# Altium PCB A-Eye.PcbDoc
Units mil, origin at the board's own origin, x right, y up, seen from the top; angles counter-clockwise.
Board outline 1259.84 x 1062.87 mil, 4 copper layers (Top1, Gnd2, Signal3, Bottom4), stack 30.634 mil thick; 95 components, 111 nets, 499 pads, 259 vias.
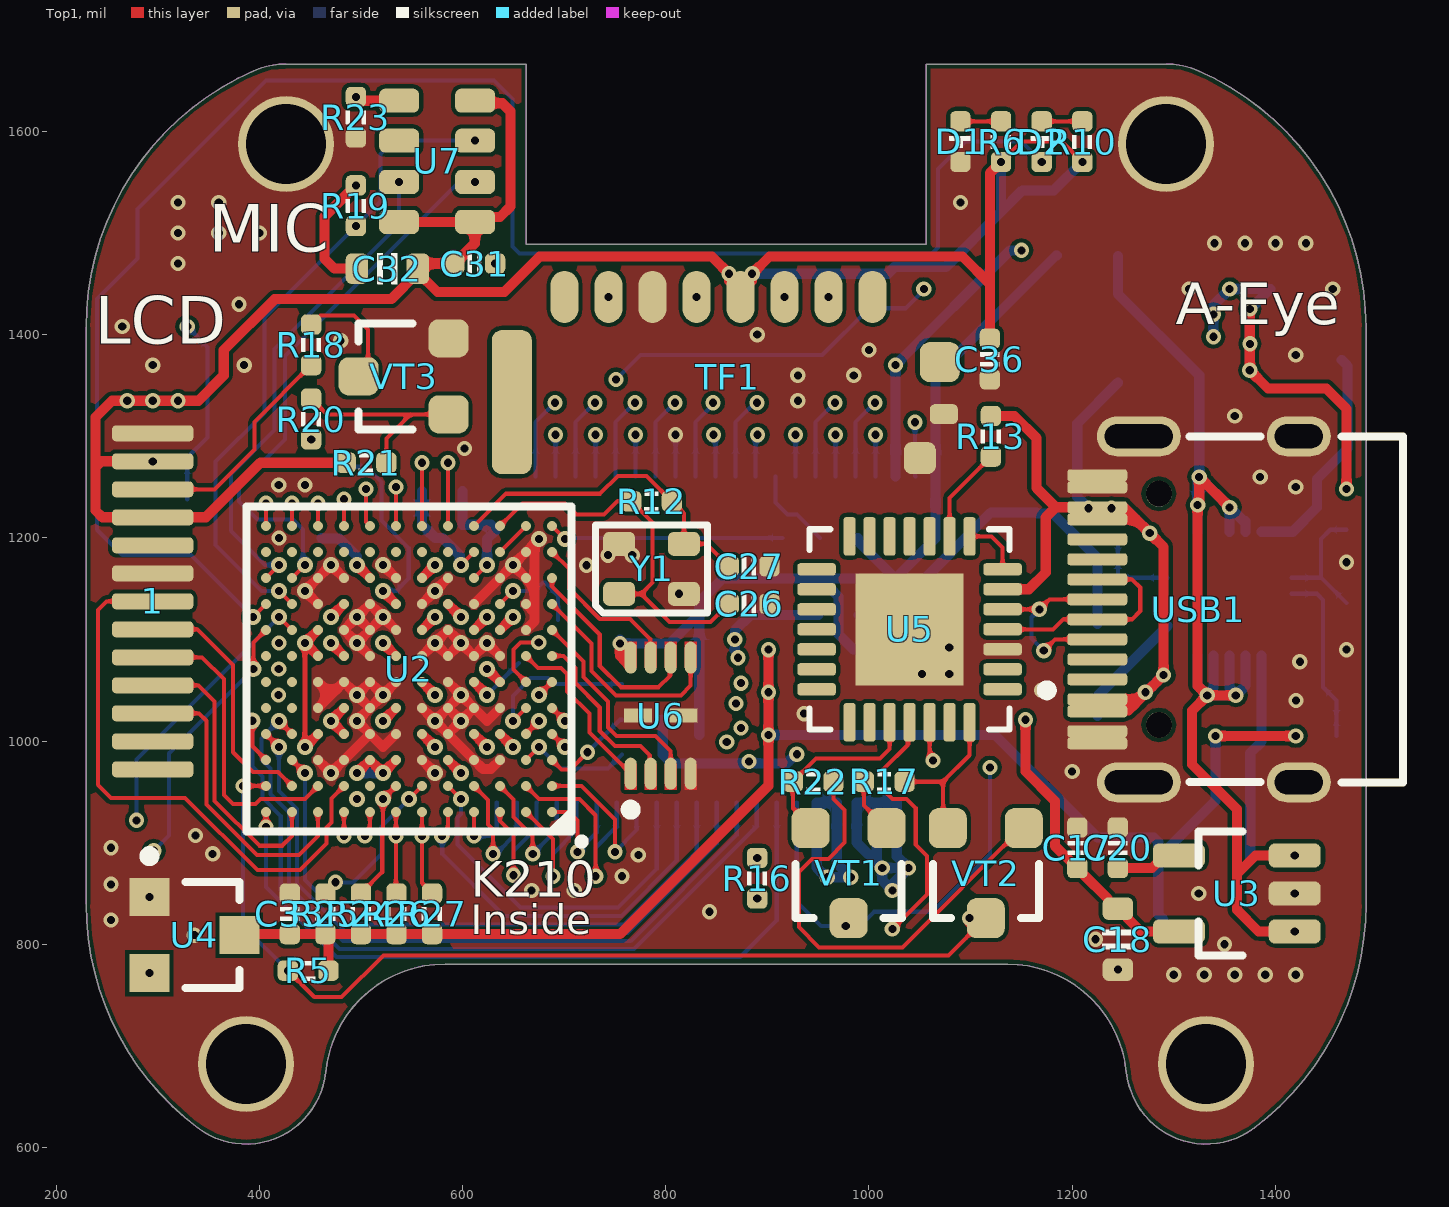
[diagram p0: Top1 view]
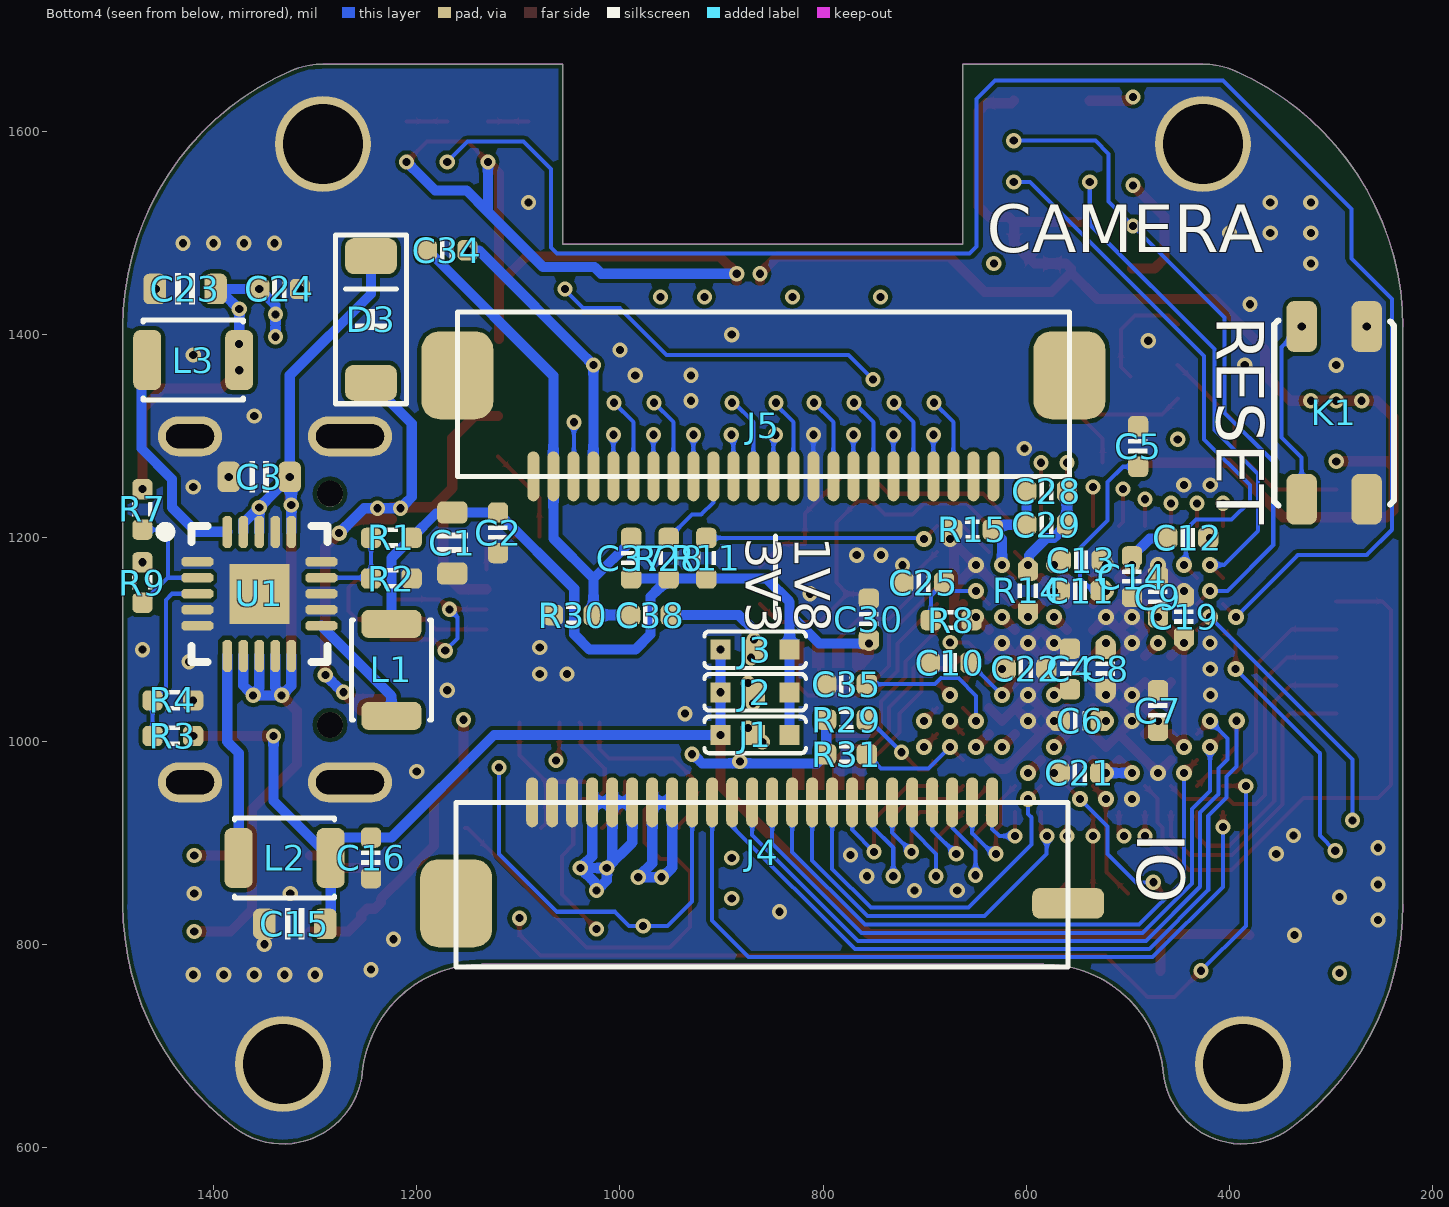
[diagram p1: Bottom4 view, seen from below]
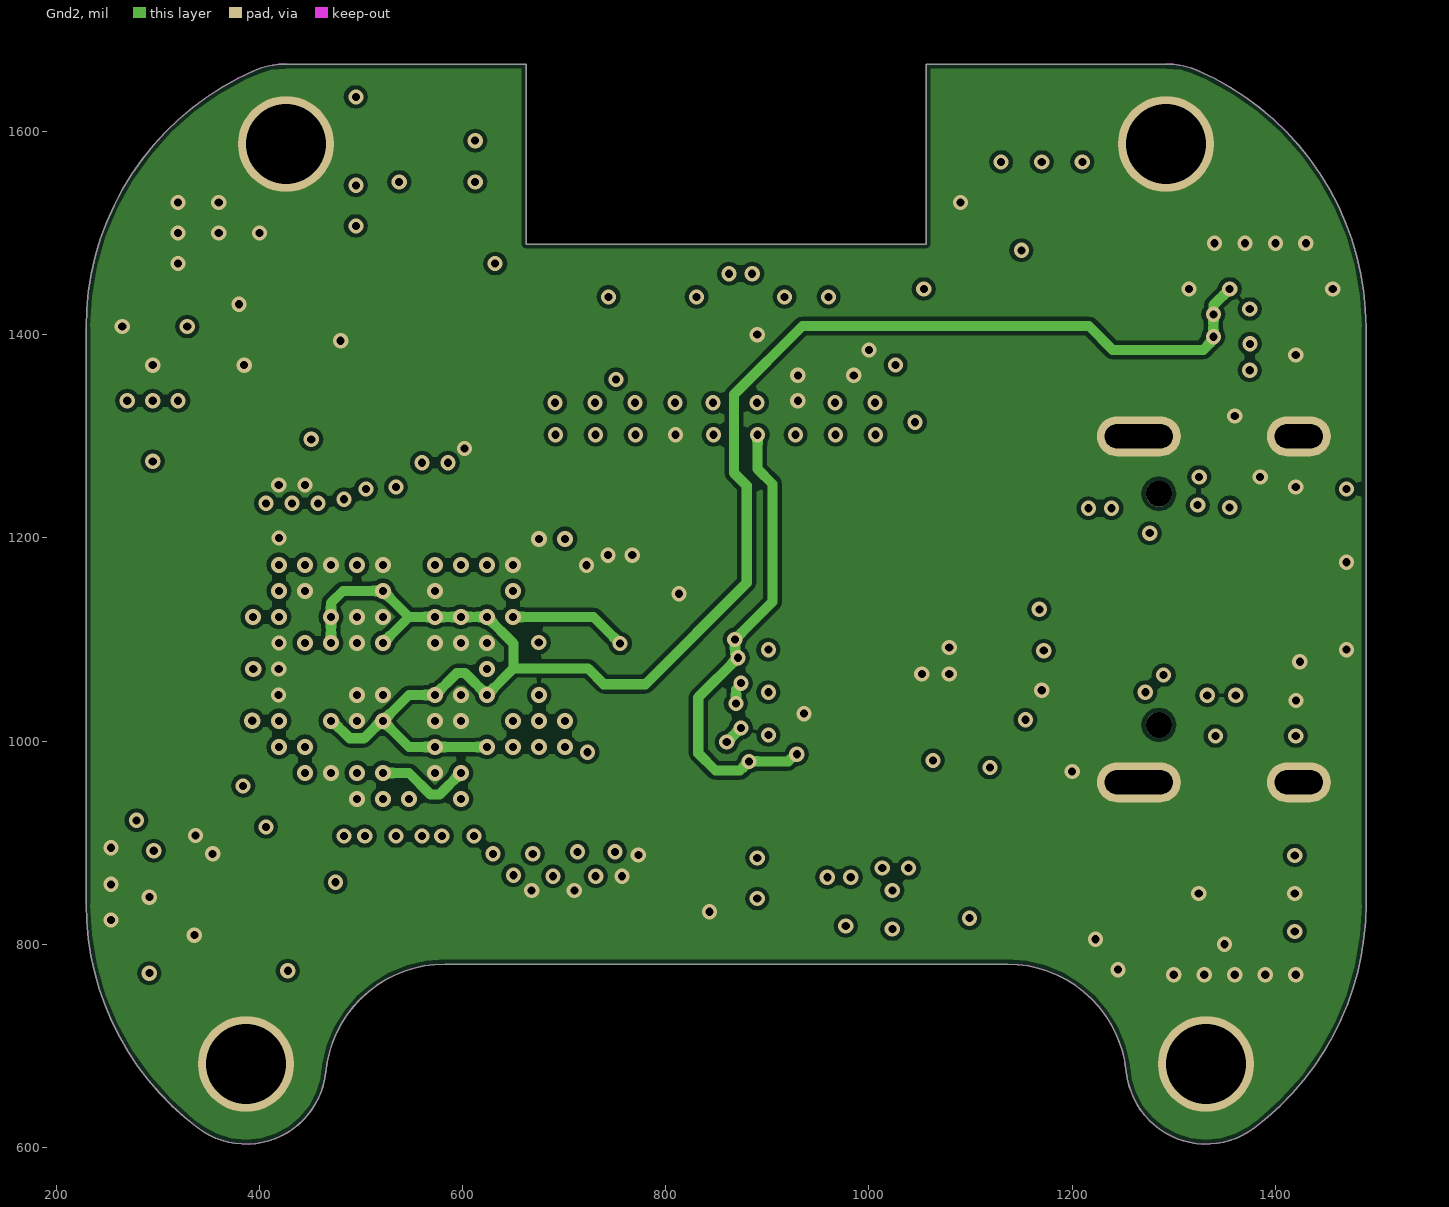
[diagram p2: Gnd2]
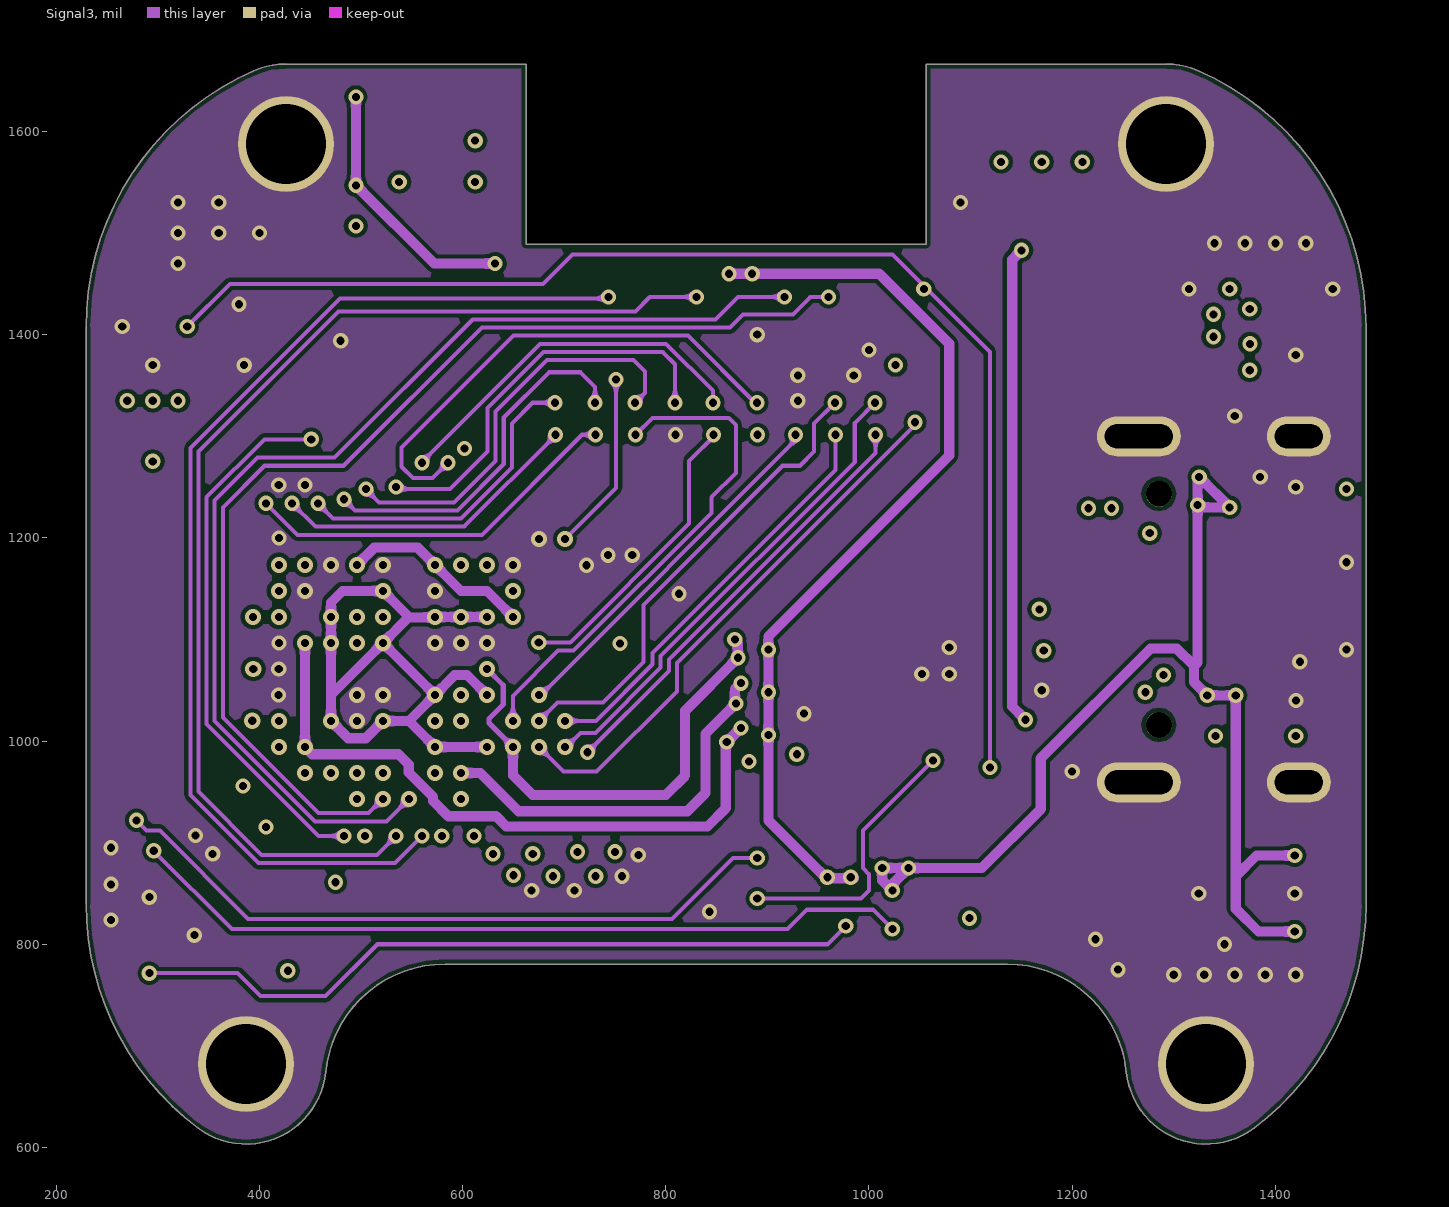
[diagram p3: Signal3]
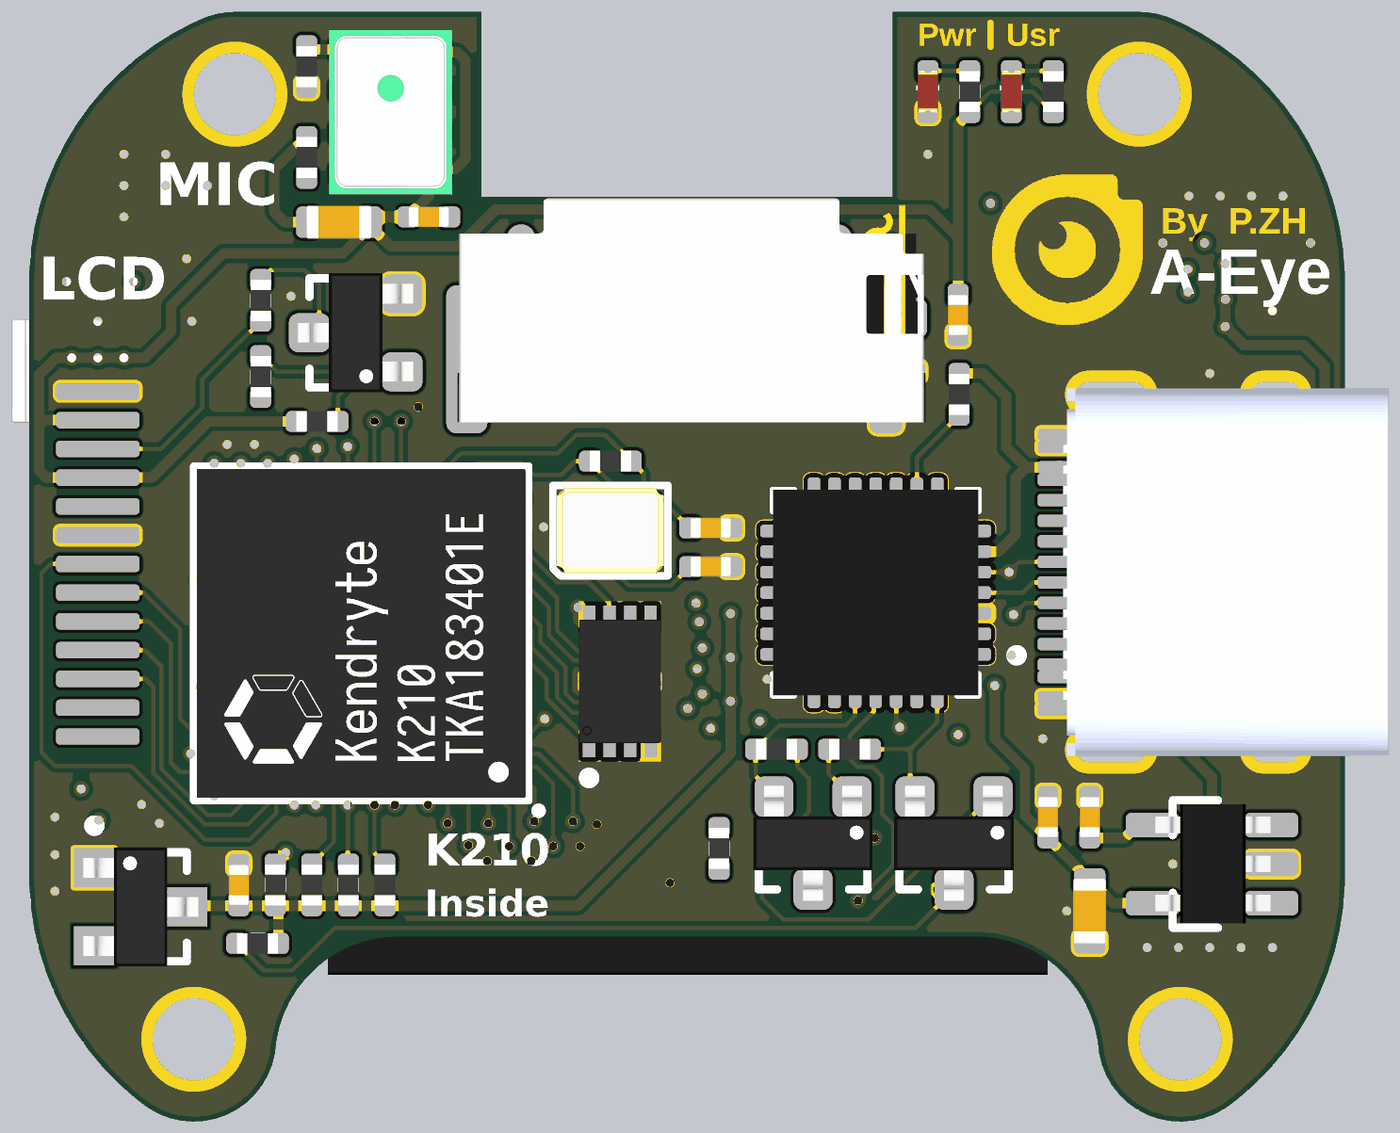
[diagram p4: 3D render of the assembled board from above, using the file's embedded part models]
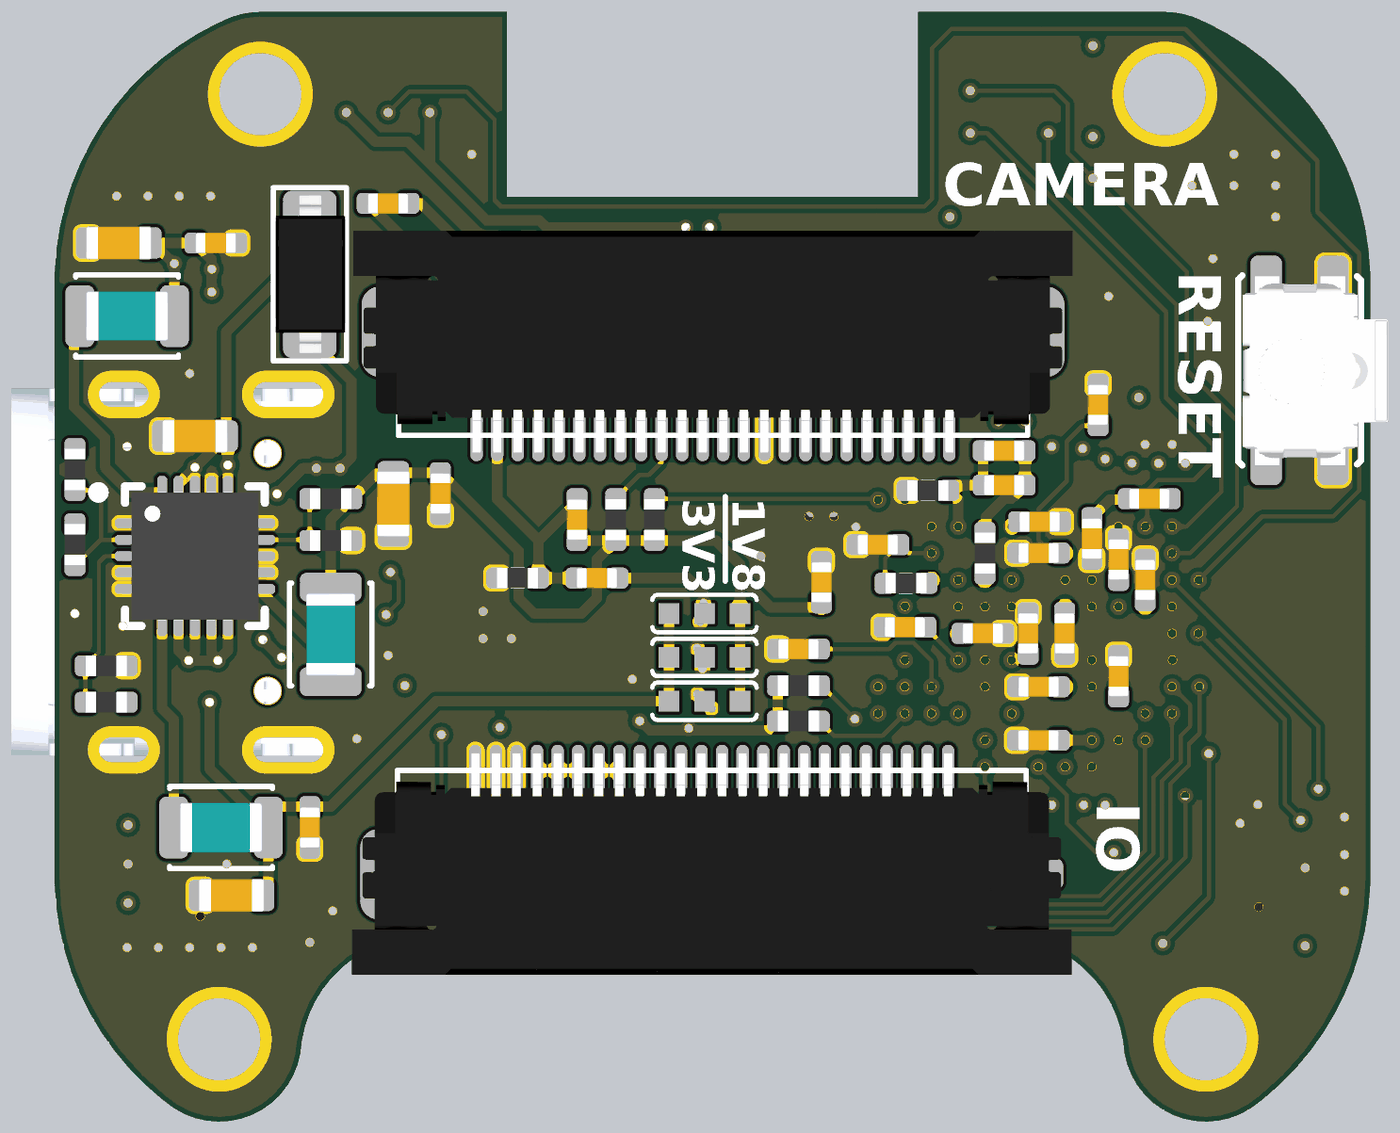
[diagram p5: 3D render of the assembled board from below, using the file's embedded part models]

## Layer stack, top to bottom
Top Solder: solder mask 0.4, Solder Resist, Dk 3.5
Top1: signal copper 1.4
Dielectric1: core 10, FR-4, Dk 4.2
Gnd2: signal copper 1.417
Dielectric3: core 10, Dk 4.2
Signal3: signal copper 1.417
Dielectric2: prepreg 5, Dk 4.2
Bottom4: signal copper 1.4
Bottom Solder: solder mask 0.4, Solder Resist, Dk 3.5

## Board outline
339.65,619.1 ccw(c386.9,682.09) 465.24,674.22 cw(c582.76,662.41) 582.76,780.52 1135.92,780.52 cw(c1135.92,662.41) 1253.43,674.22 ccw(c1331.78,682.09) 1379.02,619.1 ccw(c1213.67,839.57) 1489.26,839.57 1489.26,1407.19 ccw(c1213.67,1407.19) 1323.9,1659.77 ccw(c1292.41,1587.61) 1292.41,1666.35 1056.19,1666.35 1056.19,1489.18 662.49,1489.18 662.49,1666.35 426.27,1666.35 ccw(c426.27,1587.61) 394.77,1659.77 ccw(c505.01,1407.19) 229.42,1407.19 229.42,839.57 ccw(c505.01,839.57)

## Design rules (kind name [scope] priority, off if disabled: settings)
Clearance Solder_Clearance [OnLayer('Top Solder') vs OnLayer('Top Solder')] p1: gap=4 ignorepadtopadclearanceinfootprint=FALSE except(0: Arc-Hole Track-Hole SMDPad-Hole THPad-Hole Via-Hole Fill-Hole Poly-Hole Region-Hole Text-Hole)
Clearance [All] p2: gap=4 ignorepadtopadclearanceinfootprint=FALSE except(0: Arc-Hole Track-Hole SMDPad-Hole THPad-Hole Via-Hole Fill-Hole Poly-Hole Region-Hole Text-Hole)
ComponentClearance [All] p1: gap=0 collisioncheckmode=3 verticalgap=0 showdistances=FALSE
DiffPairsRouting [All] p1: maxlimit=9 minlimit=9 mostfreqgap=9 toplayer_minwidth=15 toplayer_maxwidth=15 toplayer_prefwidth=15 midlayer1_minwidth=15 midlayer1_maxwidth=15 midlayer1_prefwidth=15 midlayer2_minwidth=15 midlayer2_maxwidth=15 midlayer2_prefwidth=15 bottomlayer_minwidth=15 bottomlayer_maxwidth=15 bottomlayer_prefwidth=15 maxuncoupledlength=500
FanoutControl Fanout_BGA [All] p1: bgadir=Out bgaviamode=Centered fanoutstyle=Auto fanoutdirection=Alternating viagrid=1 // Fanout_BGA (Default Rule)
HoleSize [All] p1: absolutevalues=TRUE maxlimit=10000 minlimit=8 maxpercent=80.000 minpercent=20.000
MinimumSolderMaskSliver [All] p1 off: minsoldermaskwidth=2
PlaneClearance [All] p1: clearance=8
PlaneConnect [All] p1: planeconnectstyle=Direct reliefexpansion=20 reliefentries=4 reliefconductorwidth=10 reliefairgap=10
PolygonConnect [All] p1: connectstyle=Direct reliefconductorwidth=10 reliefentries=4 polygonreliefangle="90 Angle" airgapwidth=10
RoutingVias [All] p1: holewidth=8 width=16 viastyle="Through Hole" minholewidth=6 minwidth=12 maxholewidth=28 maxwidth=50
SilkToSilkClearance [All] p1: silktosilkclearance=0
SilkToSolderMaskClearance [IsPad] p1: minsilkscreentomaskgap=0 clearancetoexposedcopper=TRUE
SolderMaskExpansion [All] p1: expansion=3
Width Width_Solder [OnLayer('Top Solder')] p1: maxlimit=10000 minlimit=0.1 preferedwidth=10
Width GND [(InNet('AGND') OR InNet('GND'))] p2: maxlimit=50 minlimit=4 preferedwidth=10
Width VCC [(InNetClass('VCC-0V9') OR InNetClass('VCC-1V8') OR InNetClass('VCC-2V5') OR InNetClass('VCC-3V3'))] p3: maxlimit=50 minlimit=4 preferedwidth=10
Width [All] p4: maxlimit=10000 minlimit=4 preferedwidth=4
21 further rules are at their usual default settings.

## Classes and differential pairs
net class CAMERA: DVP_HSYNC DVP_PCLK DVP_PWDN DVP_RST DVP_SCL DVP_SDA DVP_VSYNC DVP_XCLK DVP_Y2 DVP_Y3 DVP_Y4 DVP_Y5 DVP_Y6 DVP_Y7 DVP_Y8 DVP_Y9
net class EXT-IO: IO_6 IO_7 IO_8 IO_9 IO_10 IO_11 IO_12 IO_13 IO_14 IO_15 IO_17 IO_24 IO_25 IO_36 IO_37 IO_38 IO_39
net class VCC-3V3: VCC_3V3
net class VCC-0V9: VCC_0V9
net class VCC-2V5: VCC_2V5
net class VCC-1V8: VCC_1V8
net class FLASH: NetU2_G1 NetU2_G2 NetU2_H1 NetU2_J1 NetU2_K1 NetU2_L1

## Components (designator, comment, footprint, x,y, rotation, side; value= is the part's Value field where it differs from the comment)
1 "LCD-240x135" LCD-240x135 295,1137.56 r90 top locked
C1 "10uF" 0603-CAP 1165,1195 r90 bottom value=0.1u
C2 "0.1uF" CAP_0402 1120,1205 r270 bottom value=0.1u
C3 "10uF" 0603-CAP 1355,1260 r180 bottom value=0.1u
C4 "1uF" CAP_0402 557,1071 r270 bottom value=0.1u
C5 "1uF" CAP_0402 490,1290 r270 bottom value=0.1u
C6 "0.1uF" CAP_0402 547,1019.84 r180 bottom value=0.1u
C7 "0.1uF" CAP_0402 470.43,1030 r270 bottom value=0.1u
C8 "0.1uF" CAP_0402 522,1071 r90 bottom value=0.1u
C9 "0.1uF" CAP_0402 470.43,1141.8 r270 bottom value=0.1u
C10 "0.1uF" CAP_0402 675,1077 r180 bottom value=0.1u
C11 "0.1uF" CAP_0402 547,1148 r180 bottom value=0.1u
C12 "1uF" CAP_0402 441,1200 r0 bottom value=0.1u
C13 "1uF" CAP_0402 546,1178 r0 bottom value=0.1u
C14 "0.1uF" CAP_0402 496.02,1161.8 r90 bottom value=0.1u
C15 "10uF" 0603-CAP 1320,820 r180 bottom value=0.1u
C16 "0.1uF" CAP_0402 1245,885 r270 bottom value=0.1u
C17 "0.1uF" CAP_0402 1205,895 r270 top value=0.1u
C18 "10uF" 0603-CAP 1245,805 r90 top value=0.1u
C19 "0.1uF" CAP_0402 444.84,1122.21 r90 bottom value=0.1u
C20 "10nF" CAP_0402 1245,895 r270 top value=0.1u
C21 "0.1uF" CAP_0402 547.21,968.66 r0 bottom value=0.1u
C22 "0.1uF" CAP_0402 600.39,1071.02 r180 bottom value=0.1u
C23 "10uF" 0603-CAP 1428,1445 r180 bottom value=0.1u
C24 "0.1uF" CAP_0402 1335,1445 r180 bottom value=0.1u
C25 "0.1uF" CAP_0402 701,1156 r0 bottom value=0.1u
C26 "10pF" CAP_0402 882,1135 r0 top value=0.1u
C27 "10pF" CAP_0402 882,1172 r0 top value=0.1u
C28 "0.1uF" CAP_0402 580,1246 r180 bottom value=0.1u
C29 "1uF" CAP_0402 580,1213 r180 bottom value=0.1u
C30 "0.1uF" CAP_0402 755,1120 r90 bottom value=0.1u
C31 "0.1uF" CAP_0402 612,1470 r180 top value=0.1u
C32 "10uF" 0603-CAP 526,1465 r180 top value=0.1u
C33 "1uF" CAP_0402 430,830 r90 top value=0.1u
C34 "0.1uF" CAP_0402 1170,1483 r180 bottom value=0.1u
C35 "15pF" CAP_0402 777,1056 r0 bottom value=0.1u
C36 "0.1uF" CAP_0402 1119,1376 r270 top value=0.1u
C37 "0.1uF" CAP_0402 989,1180 r270 bottom value=0.1u
C38 "0.1uF" CAP_0402 970,1124 r180 bottom value=0.1u
D1 "color?" LED_0402_RED 1090,1590 r270 top
D2 "color?" LED_0402_RED 1170,1590 r270 top
D3 "二极管-5819W" SOD-123 1245,1415 r90 bottom
J1 "选择跳线" jumper-3 867,1006 r180 bottom
J2 "选择跳线" jumper-3 867,1048 r180 bottom
J3 "选择跳线" jumper-3 867,1090 r180 bottom
J4 "0.5S_A_24PWB" FPC-24P#1 860,890 r180 bottom locked
J5 "0.5S_A_24PWB" FPC-24P#2 858.82,1310.29 r0 bottom locked
K1 "TACT 4P" BUTTONTACT_3.5*3.55_90 297,1323 r270 bottom value=3.4x3.5
L1 "2.2uH" 2520-L 1225,1070 r90 bottom
L2 "2.2uH" 2520-L 1330,885 r180 bottom
L3 "2.2uH" 2520-L 1420,1375 r180 bottom
R1 "150K" RES_0402 1225,1200 r180 bottom value=22R
R2 "100K" RES_0402 1225,1160 r0 bottom value=22R
R3 "510K" RES_0402 1440,1005 r180 bottom value=22R
R4 "110K" RES_0402 1440,1040 r0 bottom value=22R
R5 "10K" RES_0402 448,774 r0 top value=22R
R6 "1K" RES_0402 1130,1590 r90 top value=22R
R7 "62K" RES_0402 1470,1228 r90 bottom value=22R
R8 "0R" RES_0402 674,1119 r0 bottom value=22R
R9 "100K" RES_0402 1470,1156 r270 bottom value=22R
R10 "1K" RES_0402 1210,1590 r90 top value=22R
R11 "10K" RES_0402 915,1180 r270 bottom value=22R
R12 "1M" RES_0402 786,1236 r180 top value=22R
R13 "10K" RES_0402 1120,1300 r270 top value=22R
R14 "0R" RES_0402 598.39,1147.8 r270 bottom value=22R
R15 "0R" RES_0402 653,1208 r180 bottom value=22R
R16 "200R" RES_0402 890,865 r270 top value=22R
R17 "12K" RES_0402 1015,960 r180 top value=22R
R18 "10R" RES_0402 451,1390 r270 top value=22R
R19 "100K" RES_0402 495,1527 r90 top value=22R
R20 "1K" RES_0402 451,1317 r270 top value=22R
R21 "10K" RES_0402 505,1274 r180 top value=22R
R22 "12K" RES_0402 945,960 r0 top value=22R
R23 "0R" RES_0402 495,1614 r270 top value=22R
R24 "10K" RES_0402 500,830 r270 top value=22R
R25 "10K" RES_0402 465,830 r270 top value=22R
R26 "10K" RES_0402 535,830 r270 top value=22R
R27 "10K" RES_0402 570,830 r270 top value=22R
R28 "10R" RES_0402 952,1180 r270 bottom value=22R
R29 "10K" RES_0402 777,1021 r0 bottom value=22R
R30 "0R" RES_0402 1046,1124 r0 bottom value=22R
R31 "10K" RES_0402 777,987 r0 bottom value=22R
TF1 "TF" "TF-SOCKET - short" 865,1310 r270 top locked
U1 "EA3036" QFN20_40P300X300X80_HS-21N 1355,1145 r180 bottom
U2 "K210" BGA144C65P12X12_800X800X95 547.2,1071.02 r180 top locked
U3 "LP2992 2V5" SOT23-5 1360,850 r180 top
U4 "SGM803[NC]" SOT23-3 336,809 r270 top
U5 "CP2102" QFN-28 1040,1110 r180 top value=Value
U6 "W25Xxx" USON-8N 795,1025 r90 top
U7 "MSM261S4030H0" MSM-MIC 575,1570 r180 top
USB1 "Type-C" Type-C-TOP 1323.9,1129.69 r0 top locked
VT1 "S8050" SMT_TRIODE_NPN 980,870 r180 top
VT2 "S8050" SMT_TRIODE_NPN 1115,870 r180 top
VT3 "S8050" SMT_TRIODE_NPN 542,1359 r90 top
Y1 "26MHz" 晶振2520 785.98,1169.45 r0 top

## Footprints (in the part's own frame and the unit in brackets; to place one, negate y for a bottom-side part, rotate by r counter-clockwise, add the part's x,y. Pads: shape width x height; smd on the part's side, far side on the other; paste and mask are expansions set on the pad)
0603-CAP [mil]
  rrect50% 22x30 smd: 1(-30,0) 2(30,0)
  silkscreen extent -10,-15 10,15, body extent -31,-16 31,16, height 31
2520-L [mm]
  rrect50% 0.7x1.5 smd: 1(-1.15,0) 2(1.15,0)
  silkscreen extent -1.25,-1 1.25,1, body extent -1,-0.6 1,0.6, height 0.92
BGA144C65P12X12_800X800X95 [mm] "BGA, 144-Leads, Body 8.00x8.00mmx0.95mm, Pitch 0.65mm"
  round 0.25 smd mask+0.051: A1(-3.575,3.575) A2(-2.925,3.575) A3(-2.275,3.575) A4(-1.625,3.575) A5(-0.975,3.575) A6(-0.325,3.575) A7(0.325,3.575) A8(0.975,3.575) A9(1.625,3.575) A10(2.275,3.575) A11(2.925,3.575) A12(3.575,3.575) B1(-3.575,2.925) B2(-2.925,2.925) B3(-2.275,2.925) B4(-1.625,2.925) B5(-0.975,2.925) B6(-0.325,2.925) B7(0.325,2.925) B8(0.975,2.925) B9(1.625,2.925) B10(2.275,2.925) B11(2.925,2.925) B12(3.575,2.925) C1(-3.575,2.275) C2(-2.925,2.275) C3(-2.275,2.275) C4(-1.625,2.275) C5(-0.975,2.275) C6(-0.325,2.275) C7(0.325,2.275) C8(0.975,2.275) C9(1.625,2.275) C10(2.275,2.275) C11(2.925,2.275) C12(3.575,2.275) D1(-3.575,1.625) D2(-2.925,1.625) D3(-2.275,1.625) D4(-1.625,1.625) D5(-0.975,1.625) D6(-0.325,1.625) D7(0.325,1.625) D8(0.975,1.625) D9(1.625,1.625) D10(2.275,1.625) D11(2.925,1.625) D12(3.575,1.625) E1(-3.575,0.975) E2(-2.925,0.975) E3(-2.275,0.975) E4(-1.625,0.975) E5(-0.975,0.975) E6(-0.325,0.975) E7(0.325,0.975) E8(0.975,0.975) E9(1.625,0.975) E10(2.275,0.975) E11(2.925,0.975) E12(3.575,0.975) F1(-3.575,0.325) F2(-2.925,0.325) F3(-2.275,0.325) F4(-1.625,0.325) F5(-0.975,0.325) F6(-0.325,0.325) F7(0.325,0.325) F8(0.975,0.325) F9(1.625,0.325) F10(2.275,0.325) F11(2.925,0.325) F12(3.575,0.325) G1(-3.575,-0.325) G2(-2.925,-0.325) G3(-2.275,-0.325) G4(-1.625,-0.325) G5(-0.975,-0.325) G6(-0.325,-0.325) G7(0.325,-0.325) G8(0.975,-0.325) G9(1.625,-0.325) G10(2.275,-0.325) G11(2.925,-0.325) G12(3.575,-0.325) H1(-3.575,-0.975) H2(-2.925,-0.975) H3(-2.275,-0.975) H4(-1.625,-0.975) H5(-0.975,-0.975) H6(-0.325,-0.975) H7(0.325,-0.975) H8(0.975,-0.975) H9(1.625,-0.975) H10(2.275,-0.975) H11(2.925,-0.975) H12(3.575,-0.975) J1(-3.575,-1.625) J2(-2.925,-1.625) J3(-2.275,-1.625) J4(-1.625,-1.625) J5(-0.975,-1.625) J6(-0.325,-1.625) J7(0.325,-1.625) J8(0.975,-1.625) J9(1.625,-1.625) J10(2.275,-1.625) J11(2.925,-1.625) J12(3.575,-1.625) K1(-3.575,-2.275) K2(-2.925,-2.275) K3(-2.275,-2.275) K4(-1.625,-2.275) K5(-0.975,-2.275) K6(-0.325,-2.275) K7(0.325,-2.275) K8(0.975,-2.275) K9(1.625,-2.275) K10(2.275,-2.275) K11(2.925,-2.275) K12(3.575,-2.275) L1(-3.575,-2.925) L2(-2.925,-2.925) L3(-2.275,-2.925) L4(-1.625,-2.925) L5(-0.975,-2.925) L6(-0.325,-2.925) L7(0.325,-2.925) L8(0.975,-2.925) L9(1.625,-2.925) L10(2.275,-2.925) L11(2.925,-2.925) L12(3.575,-2.925) M1(-3.575,-3.575) M2(-2.925,-3.575) M3(-2.275,-3.575) M4(-1.625,-3.575) M5(-0.975,-3.575) M6(-0.325,-3.575) M7(0.325,-3.575) M8(0.975,-3.575) M9(1.625,-3.575) M10(2.275,-3.575) M11(2.925,-3.575) M12(3.575,-3.575)
  silkscreen extent -4.39,-4.06 4.06,4.39, body extent -4,-4 4,4, height 0.95
BUTTONTACT_3.5*3.55_90 [mil]
  rrect50% 50x30 smd: 1(-85,32) 2(-85,-32) 3(85,32) 4(85,-32)
  silkscreen extent -91,-59 91,59, body extent -90,-55 91,85, height 56
CAP_0402 [mil]
  rrect50% 20x20 smd: 1(-20,0) 2(20,0)
  silkscreen extent -7,-9 7,9, body extent -20,-10 20,10, height 20
FPC-24P#1 [mm]
  oval 0.3x1.25 smd: 1(5.75,1.263) 2(5.25,1.263) 3(4.75,1.263) 4(4.25,1.263) 5(3.75,1.263) 6(3.25,1.263) 7(2.75,1.263) 8(2.25,1.263) 9(1.75,1.263) 10(1.25,1.263) 11(0.75,1.263) 12(0.25,1.263) 13(-0.25,1.263) 14(-0.75,1.263) 15(-1.25,1.263) 16(-1.75,1.263) 17(-2.25,1.263) 18(-2.75,1.263) 19(-3.25,1.263) 20(-3.75,1.263) 21(-4.25,1.263) 22(-4.75,1.263) 23(-5.25,1.263) 24(-5.75,1.263)
  rrect50% 1.8x2.2 smd: ""(-7.65,-1.263)
  rrect50% 1.8x0.762 smd: ""(7.65,-1.263)
  silkscreen extent -7.65,-2.85 7.65,1.26, body extent -8.75,-3.72 8.75,1.68, height 2.12
FPC-24P#2 [mm]
  oval 0.3x1.25 smd: 1(5.75,1.263) 2(5.25,1.263) 3(4.75,1.263) 4(4.25,1.263) 5(3.75,1.263) 6(3.25,1.263) 7(2.75,1.263) 8(2.25,1.263) 9(1.75,1.263) 10(1.25,1.263) 11(0.75,1.263) 12(0.25,1.263) 13(-0.25,1.263) 14(-0.75,1.263) 15(-1.25,1.263) 16(-1.75,1.263) 17(-2.25,1.263) 18(-2.75,1.263) 19(-3.25,1.263) 20(-3.75,1.263) 21(-4.25,1.263) 22(-4.75,1.263) 23(-5.25,1.263) 24(-5.75,1.263)
  rrect50% 1.8x2.2 smd: ""(-7.65,-1.263) ""(7.65,-1.263)
  silkscreen extent -7.65,-2.85 7.65,1.26, body extent -8.75,-3.72 8.75,1.68, height 2.12
jumper-3 [mm]
  rect 0.5x0.5 smd: 1(-0.864,0) 2(0,0) 3(0.864,0)
  silkscreen extent -1.27,-0.46 1.27,0.46
LCD-240x135 [mm]
  rrect50% 0.4x2.032 smd: 1(-4.2,0) 2(-3.5,0) 3(-2.8,0) 4(-2.1,0) 5(-1.4,0) 6(-0.7,0) 7(0,0) 8(0.7,0) 9(1.4,0) 10(2.1,0) 11(2.8,0) 12(3.5,0) 13(4.2,0)
LED_0402_RED [mil]
  rrect50% 20x20 smd: 1(-20,0) 2(20,0)
  silkscreen extent -6,-11 6,10, body extent -20,-10 20,10, height 18
MSM-MIC [mm]
  rrect50% 1x0.6 smd: 1(0.95,-1.532) 2(0.95,-0.532) 3(0.95,0.5) 4(0.95,1.5) 5(-0.95,1.5) 6(-0.95,0.5) 7(-0.95,-0.532) 8(-0.95,-1.532)
  body extent -1.51,-2.01 1.49,1.99, height 1.06
QFN20_40P300X300X80_HS-21N [mm] "QFN, 20-Leads, Body 3.00x3.00mm, Pitch 0.40mm, Thermal Pad 1.65x1.65mm, IPC Medium Density"